# Altium PCB PCB2.PcbDoc (part 2 of 2)
Units mil, origin at the board's own origin, x right, y up, seen from the top; angles counter-clockwise.
Board outline 5110.83 x 3120.03 mil, 2 copper layers (Top Layer, Bottom Layer); 103 components, 47 nets, 239 pads, 142 vias.
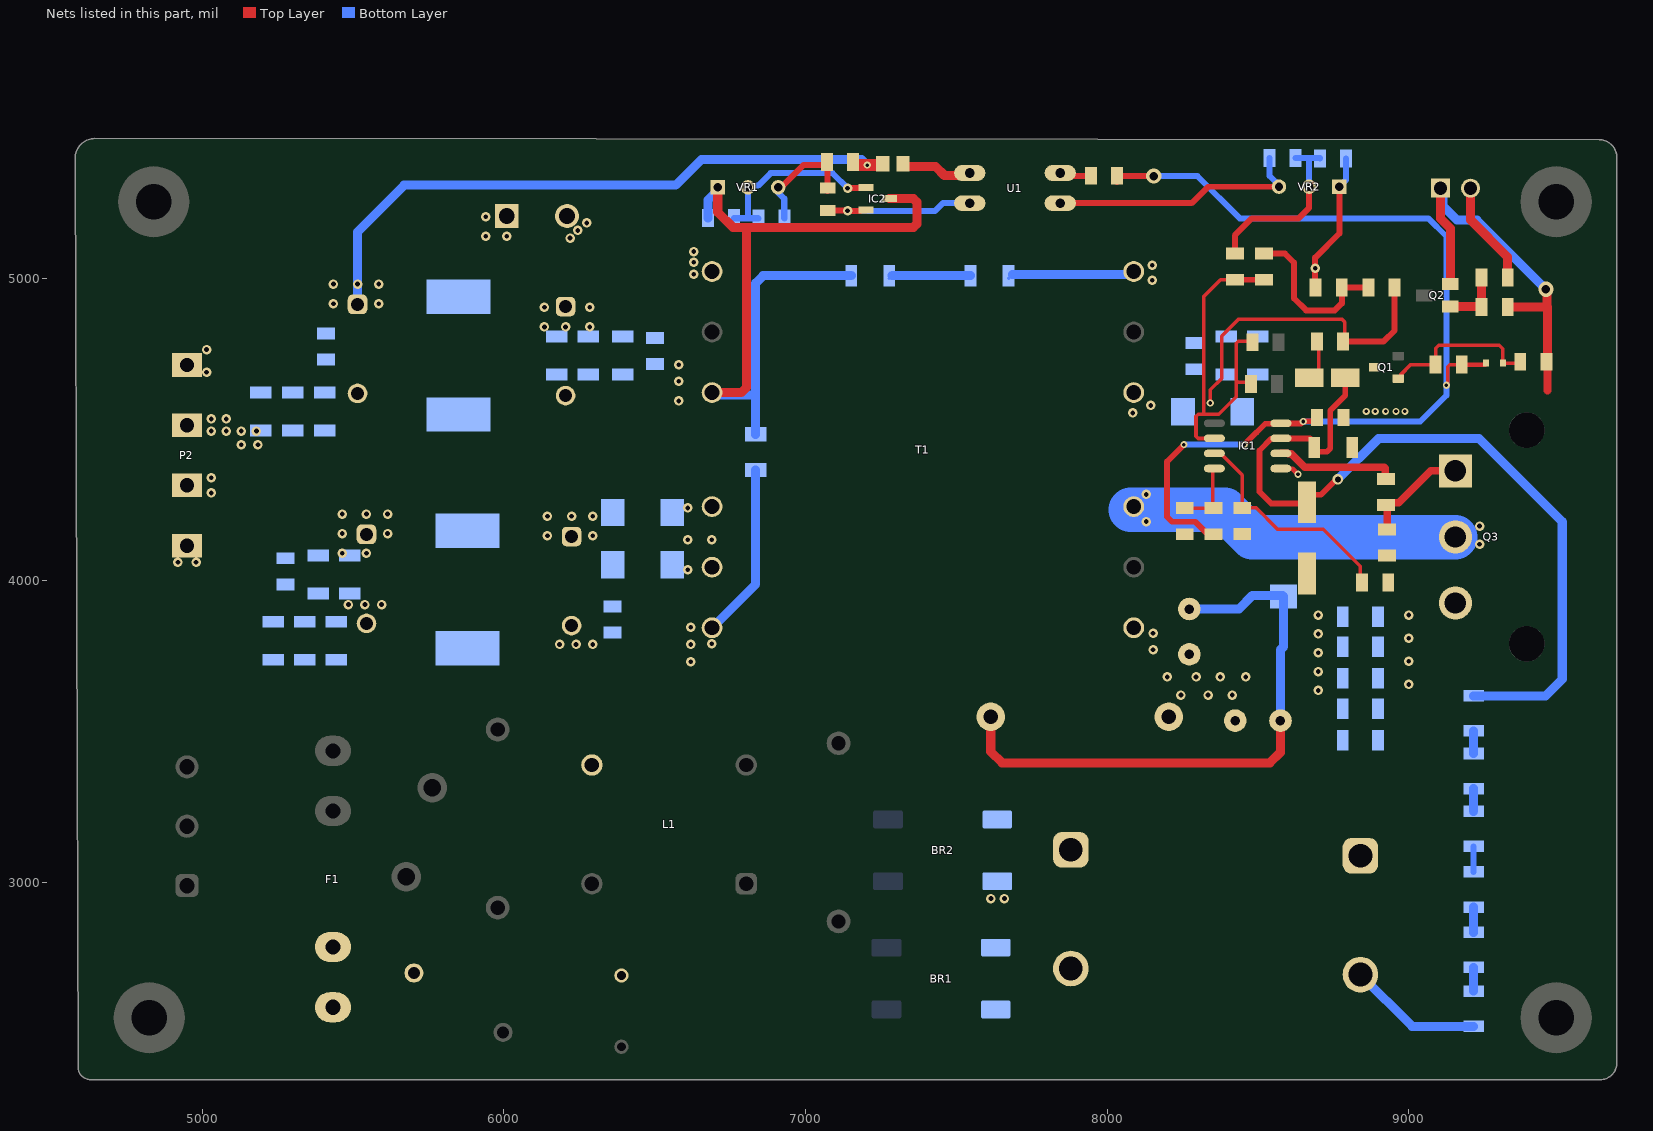
[diagram p2: the nets of this part, all layers, seen from the top]

## Via types
v1: diameter 31.5, hole 15.75, Top Layer to Bottom Layer, tented both sides, 91 vias
v2: diameter 23.62, hole 23.62, Top Layer to Bottom Layer, 32 vias
v3: diameter 23.62, hole 11.81, Top Layer to Bottom Layer, tented both sides, 12 vias
v4: diameter 31.5, hole 15.75, Top Layer to Bottom Layer, 2 vias
v5: diameter 50, hole 28, Top Layer to Bottom Layer, tented both sides, 2 vias
v6: diameter 78.74, hole 78.74, Top Layer to Bottom Layer, 2 vias
v7: diameter 35.43, hole 19.68, Top Layer to Bottom Layer, tented both sides, 1 vias

## Nets (pads, with @x,y where several pads share a name; then routed paths per layer and width w, separated by ;. In a path a pad name is that pad's centre, name@x,y a point inside that pad or via, vN(x,y) a via of type N, cw(c..) or ccw(c..) an arc to the next point about the centre after c; other vN are vias at no path point) (continued)
GND: "GND  SIGNAL.1" BR1.- BR2.- C3.2 C4.2 C5.2 C6.1 C8.2 C9.2 C10.2 C20.2 C21.2 C30.2 C31.1 IC1.5 Q1.C Q2.3 R3.1 R12.2 R20.1 R23.2 R30.1 R35.1 R36.1 R37.1 R38.1 R39.1 T1.1 VR2.1 | length 2709.7
  Top Layer w15.75: IC1.5@8576.26,4370 8614.84,4370 v3(8633.07,4351.77)
  Top Layer w19.68: R20.1@8691.69,4971.06 8690,4972.76 v1(8690,5035) 8690,5070 8770,5150 VR2.1@8770,5305
  Top Layer w27.56: 9460,4629.23 C5.2@9460,4717.69
  Top Layer w30: 9105,5300 9105,5200 9138.31,5166.69 Q2.3@9138.31,4982.4 ; R12.2@9328.31,4906.06 9453.49,4906.06 9456.17,4908.75 ; v5(9455,4965) 9458.83,4961.17 9458.83,4907.24 9460,4906.06 C5.2@9460,4717.69
  Bottom Layer w10: C31.1@7672.99,5000 C31.1@7687.03,5014.04
  Bottom Layer w20: VR2.1@8770,5305 8792.49,5327.49 R23.2@8792.49,5398.94
  Bottom Layer w30: C31.1@7687.03,5014.04 T1.1@8079.21,5014.04 ; C4.2@8840,2693.15 9011.42,2521.73 R3.1@9215,2521.73 ; 9105,5300 9113.32,5291.68 9113.32,5241.68 9160.91,5194.09 9225.91,5194.09 v5(9455,4965)
  other v1: 7615,2945 7660,2945 8700,3635 8700,3697.5 8700,3760 8700,3822.5 8700,3885
  other v3: 8859.45,4560.15 8888.98,4560.15 8923.43,4560.15 8957.87,4560.15 8987.4,4560.15
  other v4: 8150,4995 8150,5045
GND_5V: C13.2 C14.2 C15.2 C16.2 C17.2 C18.2 C19.2 P2.2 R26.1 R27.1 R34.2 T1.12 | length 582.8
  Bottom Layer w30: T1.12@6690.76,3842.93 6835,3987.18 R34.2@6835,4365.94
  other v1: 6620,3730 6185,3787.64 6240,3787.64 6295,3787.64 6620,3787.5 6690,3790 6620,3845 5485,3920 5540,3920 5595,3920 5030,4290 5030,4340
GND_24V: C22.2 C23.2 C24.2 C25.2 C26.2 C27.2 C28.2 C29.2 C32.2 IC2.3 P2.4 R22.2 R31.1 R32.1 R34.1 T1.9 VR1.1 | length 2660.1
  Top Layer w30: T1.9@6690.76,4622.46 6787.43,4622.46 6805,4640.03 6805,5170 ; VR1.1@6709.56,5293.2 6709.56,5220.44 6760,5170 6805,5170 ; IC2.3@7278.58,5265.41 7358.28,5265.41 7370,5253.69 7370,5181.72 7358.28,5170 6805,5170
  Bottom Layer w30: R22.2@6676.69,5201.06 6676.69,5260.33 VR1.1@6709.56,5293.2 ; T1.9@6690.76,4622.46 6698.22,4615 6817.43,4615 ; 6817.42,4615 6835,4615 ; R34.1@6835,4484.06 6835,4615 ; C32.2@7152.01,5010 6860,5010 6835,4985 6835,4615
  other v1: 6580,4595 6580,4660 5015,4690 6580,4715 5015,4765
ISENSE: C30.1 IC1.3 R33.1 | length 745.7
  Top Layer w11.81: IC1.3@8377.83,4420 8448.61,4349.22 C30.1@8448.61,4240.43 8494.57,4240.43 8565,4170 8716.42,4170 8839.76,4046.65 8839.76,3989.57 R33.1@8845.67,3983.66
NetC5_1: C5.1 D1.A Q1.B R5.2 | length 521.2
  Top Layer w11.81: 8974.61,4682.76 9007.33,4715.48 R5.2@9089.29,4715.48 9089.29,4769.29 9099.21,4779.21 9300.79,4779.21 9312.03,4767.97 D1.A@9312.03,4720.29 9365.29,4720.29 C5.1@9370,4725
NetC11_1: C11.1 R14.1 R18.1 VR1.3 | length 385.4
  Top Layer w20: VR1.3@6909.56,5293.2 6993,5376.64 7071.69,5376.64 7072.85,5375.48 7072.85,5292.05 C11.1@7074,5290.9
  Bottom Layer w20: VR1.3@6909.56,5293.2 6909.56,5285.64 6930,5265.2 6930,5200.8 R18.1@6930.8,5200
NetC11_2: C11.2 IC2.1 U1.2 | length 570.7
  Top Layer w20: C11.2@7074,5226.09 7074.55,5225.55 7139.45,5225.55 v1(7140,5225) 7181.99,5225 7183.39,5226.39 7199.8,5226.39 IC2.1@7201.42,5228.01 ; U1.2@7518.71,5240.49 U1.2@7544.85,5240.49
  Bottom Layer w20: v1(7140,5225) 7430,5225 7455.49,5250.49 U1.2@7544.85,5250.49
NetC12_1: C12.1 D4.K R24.2 R25.2 | length 1955.3
  Top Layer w30: C12.1@7614.45,3535.04 7614.45,3432.51 7651.96,3395 8540,3395 8575,3430 R24.2@8575,3535
  Bottom Layer w30: R25.2@8263.58,3905 8425,3905 8437.18,3905 8482.18,3950 8581.57,3950 D4.K@8585,3946.57 8585,3780 8575,3770 R24.2@8575,3535
NetC14_1: C14.1 C15.1 C17.1 L2.1 P2.1
  other v1: 4920,4060 4980,4060
NetC22_1: C22.1 C23.1 C26.1 L3.1 P2.3
  other v1: 5130,4450 5185,4450 5030,4495 5080,4495 5130,4495 5180,4495 5030,4535 5080,4535
NetC31_2: C31.2 C32.1 | length 273.2
  Bottom Layer w10: C32.1@7277.99,5000 C32.1@7287.99,5010
  Bottom Layer w30: C32.1@7287.99,5010 C31.2@7547.01,5010
NetD2_2: D2.2 R9.2 | length 138
  Top Layer w11.81: D2.2@8669.96,4671.72 8677.36,4671.72 8701.97,4696.33 R9.2@8701.97,4792.12
NetD3_A: D3.A D5.A T1.10 T1.11
  other v1: 6610,4035 6610,4135 6690,4135 6610,4240
NetD4_A: D4.A Q3.D T1.4 | length 1113
  Bottom Layer w147.64: T1.4@8079.21,4234.51 8390.49,4234.51 8481.57,4143.43 Q3.D@9154.53,4143.43
  other v1: 9235,4120 9235,4180 8130,4195 8130,4285
NetD6_A: D6.A T1.3
  other v1: 8085,4555 8145,4580
NetD7_2: D7.2 T1.7
  other v1: 6630,5015 6630,5055 6630,5090 6220,5135 6245,5160 6275,5185
NetF1_2: F1.2 RV1.1
NetIC2_2: IC2.2 R18.2 R22.1 VR1.2 | length 615.1
  Top Layer w20: v1(7140,5300) 7141.4,5301.4 7200.01,5301.4 IC2.2@7201.42,5302.81
  Bottom Layer w20: R22.1@6763.31,5201.06 6763.84,5200.53 6803.75,5200.53 ; R18.2@6844.18,5200 6843.65,5200.53 6803.75,5200.53 ; v1(7140,5300) 7090,5350 6885,5350 6843.55,5308.55 6822.48,5308.55 6809.56,5295.64 6809.56,5206.35 6803.75,5200.53
NetL1_1: L1.3 LDM1.2
NetP1_2: "GND  SIGNAL.2" R10.1 | length 347.1
  Top Layer w30: 9205,5300 9205,5195 9328.31,5071.69 R10.1@9328.31,5003.94
NetQ2_1: Q2.1 R10.2 R12.1 | length 201.9
  Top Layer w30: Q2.1@9138.31,4907.6 9240.16,4907.6 R12.1@9241.69,4906.06 R10.2@9241.69,5003.94
NetQ3_G: Q3.G R28.2 R29.2 | length 350.7
  Top Layer w25: R29.2@8928.35,4168.1 R28.2@8928.35,4245.04 ; R28.2@8928.35,4248.98 8935.99,4256.62 8966.62,4256.62 9072.8,4362.8 Q3.G@9155,4362.8
NetQ3_S: Q3.S R29.1 R33.2 R35.2 R36.2 R37.2 R38.2 R39.2
  other v1: 9000,3655 9000,3731.67 9000,3808.33 9000,3885
NetR1_1: R1.1 R2.2 | length 83.5
  Bottom Layer w30: R2.2@9215,2833.27 R1.1@9215,2916.73
NetR2_1: R2.1 R3.2 | length 78.5
  Bottom Layer w30: R3.2@9215,2638.27 R2.1@9215,2716.73
NetR4_1: R4.1 R6.2 | length 74.9
  Bottom Layer w30: R4.1@9215,3234.66 R6.2@9215,3309.51
NetR6_1: R6.1 R7.1 | length 74.9
  Bottom Layer w30: R6.1@9215,3426.04 R7.1@9215,3500.9
NetR13_1: R13.1 U1.1 | length 234.3
  Top Layer w30: R13.1@7323.46,5371.76 7431.76,5371.76 7461.27,5342.26 7543.09,5342.26 U1.1@7544.85,5340.49
NetR15_1: R15.1 U1.4 | length 102.1
  Top Layer w20: U1.4@7844.85,5340.49 7845.14,5340.78 7946.41,5340.78 R15.1@7946.69,5341.06
NetR21_1: R21.1 U1.3 VR2.3 | length 855.8
  Top Layer w19.68: U1.3@7844.85,5250.49 8280.49,5250.49 8335,5305 VR2.3@8570,5305
  Bottom Layer w19.68: R21.1@8538.39,5400 8538.39,5340.94 8570,5309.33 VR2.3@8570,5305
RT/CT: C10.1 IC1.4 R11.1 | length 230.8
  Top Layer w11.81: C10.1@8249.21,4239.57 8249.25,4239.61 8343.7,4239.61 8350,4245.91 8350,4365.07 IC1.4@8355.79,4370.85
VAUX: C20.1 C21.1 D6.K R9.1 R17.2 R30.2 | length 1059.3
  Top Layer w11.81: v3(8342.28,4587.99) 8342.28,4631.62 8380,4669.34 8380,4810 8435,4865 8780,4865 8788.58,4856.42 R9.1@8788.58,4792.12
  Top Layer w20: R9.1@8788.58,4792.12 8917.12,4792.12 8953.31,4828.31 R17.2@8953.31,4971.06
VCC: C8.1 C9.1 D2.1 IC1.7 R7.2 | length 2781.1
  Top Layer w19: C9.1@8662.6,4263.92 8682.63,4283.94 8709.5,4283.94 8760.55,4335 v7(8765,4335) ; C9.1@8662.6,4297.92 8662.6,4254.69 8544.49,4254.69 8505.12,4294.06 8505.12,4430.51 8543.85,4469.24 8575.11,4469.24 8576.26,4470.39 8672.79,4470.39 8694.53,4448.65 8694.53,4426.52 8728.87,4426.52 8740,4437.65 8740,4563.03 8790.04,4613.07 D2.1@8790.04,4671.72 D2.1@8790.04,4672.85
  Bottom Layer w30: v7(8765,4335) 8899.88,4469.88 9233.46,4469.88 9509.06,4194.29 9509.06,3672.64 9509,3672.64 9453.8,3617.43 R7.2@9215,3617.43
VFB: C7.2 IC1.2 R8.1 R16.1 R19.1 | length 1200
  Top Layer w11.81: IC1.2@8355.79,4470.39 8301.92,4470.39 8295,4477.31 8295,4544.23 8301.92,4551.15 8320,4551.15 ; R16.1@8423.66,4996.41 8376.41,4996.41 8320,4940 8320,4551.15 ; 8429.99,4657.52 8429.99,4662.29 ; R8.1@8476.69,4651.06 8470.23,4657.52 8434.76,4657.52 8429.99,4662.29 ; R8.1@8476.69,4653.59 8478.11,4653.59 R8.1@8476.69,4655 ; C7.2@8481.69,4790 8479.17,4792.52 8434.76,4792.52 8427.84,4785.6 8427.84,4664.44 ; 8320,4551.15 8369.93,4551.15 8427.84,4609.06 8427.84,4664.44 ; 8427.84,4664.44 8429.99,4662.29
  Top Layer w19.68: R16.1@8423.66,4996.41 R16.1@8423.94,4996.69 R19.1@8520.56,4996.69
VFB1: R16.2 R21.2 R23.1 VR2.2 | length 592.1
  Top Layer w19.68: R16.2@8423.94,5083.31 8423.94,5143.94 8480,5200 8635,5200 8670,5235 VR2.2@8670,5305
  Bottom Layer w19.68: 8665.44,5399.47 8670,5394.91 VR2.2@8670,5305
  Bottom Layer w20: R21.2@8625,5400 8625.53,5399.47 8665.44,5399.47 8705.34,5399.47 R23.1@8705.88,5398.94
VFB2: R17.1 R19.2 R20.2 | length 555.9
  Top Layer w19.68: R19.2@8520.56,5083.31 8590.16,5083.31 8620,5053.47 8620,4935 8660,4895 8755,4895 8778.31,4918.31 R20.2@8778.31,4971.06 R17.1@8866.69,4971.06
VGATE: IC1.6 R28.1 | length 400.2
  Top Layer w25: IC1.6@8576.26,4420.85 8598.76,4420.85 8600.1,4419.52 8610.48,4419.52 8655.03,4374.97 8918.66,4374.97 8922.66,4370.96 R28.1@8922.66,4337.8
VIN: BR1.+ BR2.+ C3.1 C4.1 C12.2 R1.2 R4.2 R24.1 R25.1 T1.6 | length 84.9
  Bottom Layer w20: R1.2@9215,3033.27 R4.2@9215,3118.12
  other v1: 8245,3620 8335,3620 8415,3620 8200,3680 8295,3680 8375,3680 8460,3680 8152.64,3770 8152.64,3825
VOUT_5V: C13.1 C16.1 C18.1 C19.1 D3.K D5.K L2.2 R26.2 R27.2
  other v1: 5465,4090 5545,4090 6145,4147.64 6295,4147.64 5465,4155 5615,4155 6145,4212.64 6225,4212.64 6295,4212.64 5465,4220 5545,4220 5615,4220
VOUT_24V: C24.1 C25.1 C27.1 C28.1 C29.1 D7.1 L3.2 R13.2 R14.2 R31.2 R32.2 | length 2137.1
  Top Layer w10: R13.2@7251.66,5376.64 R13.2@7256.54,5371.76
  Top Layer w40: R14.2@7158.31,5376.64 v3(7204.98,5376.64) R13.2@7251.66,5376.64
  Bottom Layer w30: C29.1@5515.38,4915 v1(5515.38,4982.36) 5515.38,5155.38 5670,5310 6570,5310 6655,5395 7186.62,5395 v3(7204.98,5376.64)
  other v1: 6135,4840.28 6205,4840.28 6285,4840.28 6135,4905.28 6285,4905.28 5435.38,4917.36 5585.38,4917.36 5435.38,4982.36 5585.38,4982.36 5940,5140.41 6010,5140.41 5940,5205.41
VREF: C6.2 D1.K IC1.8 R5.1 R11.2 R15.2 | length 3295.4
  Top Layer w11.81: v3(9125.2,4647.05) 9125.2,4650.24 9129.13,4654.18 9129.13,4708.08 9136.05,4715 R5.1@9157.99,4715
  Top Layer w15: R5.1@9175.9,4715.48 9254.07,4715.48 9256.91,4718.32 D1.K@9256.91,4720.29
  Top Layer w18: 8495,4490 8524.65,4519.65 IC1.8@8572.28,4519.65 ; v3(8650.51,4526.69) v3@8651.26,4527.44
  Top Layer w19.68: R15.2@8032.91,5321.06 R15.2@8036.85,5325 ; R15.2@8033.31,5341.06 v5@8153.94,5341.06 ; v3(8255,4450) 8198.62,4393.62 8198.62,4210.91 8215.24,4194.29 8292.56,4194.29 8333.86,4152.99 R11.2@8343.7,4152.99 ; v3@8455.75,4450.75 8495,4490 ; IC1.8@8576.26,4520.39 8643.15,4520.39 8649.44,4526.69 v3(8650.51,4526.69) ; v3@8651.26,4527.44 8694.93,4527.44 C6.2@8696.69,4529.2
  Bottom Layer w19.68: v5(8155,5340) 8300,5340 8440,5200 9065,5200 9125.2,5139.8 9125.2,4613.58 9038.3,4526.69 v3(8650.51,4526.69) ; v3(8255,4450) v3(8455,4450)
pads on no net: H1.0 H2.0 H3.0 H4.0 J1.2 Q3.4 T1.2 T1.5 T1.8
copper on no net:
  other v2: 4825,2461.42 9488.79,2461.42 4762.36,2487.36 4887.64,2487.36 9426.15,2487.36 9551.43,2487.36 4736.42,2550 4913.58,2550 9400.21,2550 9577.37,2550 4762.36,2612.64 4887.64,2612.64 9426.15,2612.64 9551.43,2612.64 4825,2638.58 9488.79,2638.58 4840,5166.42 9488.79,5166.42 4777.36,5192.36 4902.64,5192.36 9426.15,5192.36 9551.43,5192.36 4751.42,5255 4928.58,5255 9400.21,5255 9577.37,5255 4777.36,5317.64 4902.64,5317.64 9426.15,5317.64 9551.43,5317.64 4840,5343.58 9488.79,5343.58
  other v6: 6330,5390 5870,5395

## Polygon pours and split planes (outlines as drawn)
NetD6_A on Bottom Layer "NONET_L01_P-001" (solid, pour order 86): 8156.57,4608.43 8105,4660 8040,4660 8020,4640 8020,4550 8060,4510 8295,4510 8295,4608.43
GND_24V on Bottom Layer "NONET_L01_P-001" (solid, remove dead copper, pour order 81): 5225,4795 4925,4795 4900,4770 4900,4665 4919.15,4645.85 5105.84,4645.85 5146.69,4605 5440,4605 5470,4575 5565,4575 5575,4585 5575,4640 5555,4660 5465,4660 5440,4685 5440,4750 5270,4750
GND_5V on Bottom Layer "NONET_L01_P-001" (solid, remove dead copper, pour order 79): 5150,4200 5150,4320 5105,4365 4905,4365 4890,4350 4890,4275 4910,4255 5048.19,4255 5074.02,4229.17 5074.02,4065.98 5075,4065 5075,3965 5200,3840 5485,3840 5515,3810 5600,3810 5615,3825 5615,3940 5545,4010 5180,4010 5150,4040
NetC14_1 on Bottom Layer "NONET_L01_P-001" (solid, remove dead copper, pour order 75): 5015,3960 5015,4145 4995,4165 4905,4165 4890,4150 4890,4140 4890,3865 5135,3620 5840,3620 5940,3720 6070,3720 6085,3735 6085,3840 5700,3840 5620,3760 5215,3760
NetC22_1 on Bottom Layer "NONET_L01_P-001" (solid, remove dead copper, pour order 65): 5085,4555 4900,4555 4890,4545 4890,4480 4900,4470 5040,4470 5140,4370 5925,4370 6030,4475 6030,4580 6000,4610 5715,4610 5625,4520 5120,4520
NetD4_A on Bottom Layer "NONET_L01_P-001" (solid, remove dead copper, pour order 85): 9075,4215 9250,4215 cw(c9250,4200) 9265,4200 9265,4100 cw(c9235,4100) 9235,4070 9075,4070
GND_24V on Bottom Layer "NONET_L01_P-001" (solid, remove dead copper, pour order 82): 6140,4705 6435,4705 6470,4740 6645,4740 6730,4655 6730,4595 6695,4560 6165,4560 6140,4585 6140,4700
GND_5V on Bottom Layer "NONET_L01_P-001" (solid, remove dead copper, pour order 80): 6720,3880 6740,3860 6740,3730 6700,3690 6205,3690 6160,3735 6160,3865 6190,3895 6250,3895 6295,3850 6440,3850 6470,3880
VOUT_5V on Bottom Layer "NONET_L01_P-001" (solid, remove dead copper, pour order 78): 6315,3970 6315,3900 6325,3890 6395,3890 6415,3910 6415,4255 6400,4270 5250,4270 5220,4240 5220,4075 5240,4055 5585,4055 5635,4105 6250,4105 6280,4075 6280,4005
NetD3_A on Bottom Layer "NONET_L01_P-001" (solid, remove dead copper, pour order 71): 6525,4280 6515,4270 6515,3995 6540,3970 6735,3970 6755,3990 6755,4250 6725,4280
NetD7_2 on Bottom Layer "NONET_L01_P-001" (solid, remove dead copper, pour order 62): 6385,5110 6260,5235 6235,5260 6190,5260 6160,5230 6160,5155 6325,4990 6710,4990 6730,5010 6730,5050 6675,5110
VOUT_24V on Bottom Layer "NONET_L01_P-001" (solid, remove dead copper, pour order 68): 6050,5250 6050,5015 6125,4940 6490,4940 6545,4885 6545,4780 6540,4775 6130,4775 6025,4880 5475,4880 5445,4850 5445,4800 5380,4800 5385,4805 5385,4970 5420,5005 5860,5005 5915,5060 5915,5235 5930,5250
NetQ3_S on Bottom Layer "NONET_L01_P-001" (solid, remove dead copper, pour order 60): 8985,3560 8985,3415 8975,3405 8885,3405 8880,3410 8880,3931.18 8898.82,3950 8941.39,3980 9190,3980 9215,3955 9215,3790
GND on Bottom Layer "NONET_L01_P-001" (solid, remove dead copper, pour order 57): 8805,3915 8670,3915 8660,3905 8660,3430 8675,3415 8795,3415 8805,3425
GND on Bottom Layer "NONET_L01_P-001" (solid, remove dead copper, pour order 56): 7585,2610 7730,2610 7815,2695 7815,2740 7855,2780 7925,2780 7960,2745 7960,2605 7900,2545 7585,2545 7575,2555 7575,2600
GND on Bottom Layer "NONET_L01_P-001" (solid, remove dead copper, pour order 55): 7590,3020 7590,2925 7600,2915 7675,2915 7685,2925 7685,3020
VIN on Bottom Layer "NONET_L01_P-001" (solid, remove dead copper, pour order 53): 8905,3150 8920,3135 9260,3135 9275,3120 9275,3025 9260,3010 8930,3010 8925,3010 8905,2990 7950,2990 7710,2750 7585,2750 7585,2810 7655,2810 7815,2970 7815,3120 7775,3160 7600,3160 7585,3175 7585,3240 7915,3240 8035,3240 8145,3350 8145,3710 8035,3820 8035,3875 8055,3895 8155,3895 8255,3795 8425,3795 8495,3725 8495,3290 8635,3150
AC_L3 on Bottom Layer "NONET_L01_P-001" (solid, remove dead copper, pour order 52): 7090,3510 7150,3510 7170,3490 7170,3265 7195,3240 7315,3240 7460,3240 7460,2825 7380,2745 7220,2745 7210,2755 7210,2805 7220,2815 7330,2815 7400,2885 7400,3150 7375,3175 7120,3175 7070,3225 7070,3490
AC_N2 on Bottom Layer "NONET_L01_P-001" (solid, remove dead copper, pour order 50): 6995,2810 7060,2745 7060,2595 7110,2545 7315,2545 7320,2550 7320,2610 7235,2610 7155,2690 7155,2895 7230,2970 7325,2970 7325,3025 7315,3035 7180,3035 7180,3000 7100,2920 7000,2920 6885,3035 6760,3035 6755,3030 6755,2970 6770,2955 6850,2955
NetL1_1 on Bottom Layer "NONET_L01_P-001" (solid, remove dead copper, pour order 49): 6480,3430 6550,3360 6550,2725 6480,2655 6335,2655 6315,2675 6315,2730 6335,2750 6440,2750 6470,2780 6470,3310 6430,3350 6265,3350 6240,3375 6240,3410 6260,3430
AC_L2 on Bottom Layer "NONET_L01_P-001" (solid, remove dead copper, pour order 25): 5700,3360 5720,3380 5835,3380 5930,3475 5930,3530 5960,3560 6020,3560 6045,3535 6045,3480 6160,3365 6160,3340 6160,2605 6255,2510 6445,2510 6465,2490 6465,2450 6435,2420 5970,2420 5930,2460 5930,2550 5955,2575 6040,2575 6060,2595 6060,3155 5975,3240 5725,3240 5700,3265
VAUX on Bottom Layer "NONET_L01_P-001" (solid, remove dead copper, pour order 16): 8390,4515 8490,4515 8490,4590 8540,4640 8540,4710 8530,4720 8255,4720 8255,4660 8270,4645 8295,4645 8325,4615 8325,4580
GND on Bottom Layer "NONET_L01_P-001" (solid, remove dead copper, pour order 23): 8015,5045 8065,5095 9030,5095 9095,5030 9095,4635 9010,4550 8635,4550 8625,4540 8625,4510 8635,4500 8660,4500 8675,4485 8675,4360 8650,4335 8570,4335 8525,4380 8525,4480 8530,4480 8580,4530 8580,4760 8575,4765 8260,4765 8190,4835 8190,4930 8175,4945 8065,4945 8015,4995
NetC22_1 on Top Layer "NONET_L01_P-001" (solid, remove dead copper, pour order 88): 5085,4555 5120,4520 5210,4520 5240,4490 5240,4380 5230,4370 5140,4370 5040,4470 4900,4470 4890,4480 4890,4545 4900,4555
GND on Top Layer "NONET_L01_P-001" (solid, remove dead copper, pour order 90): 8015,5045 8065,5095 8165,5095 8195,5065 8195,4980 8160,4945 8065,4945 8015,4995
NetC14_1 on Top Layer "NONET_L01_P-001" (solid, remove dead copper, pour order 89): 4890,4150 4905,4165 4995,4165 5015,4145 5015,4045 5010,4040 4900,4040 4890,4050
GND_5V on Top Layer "NONET_L01_P-001" (solid, remove dead copper, pour order 74): 5150,4200 5150,4320 5105,4365 4905,4365 4890,4350 4890,4275 4910,4255 5060,4255 5075,4240 5075,3965 5200,3840 5485,3840 5515,3810 5600,3810 5615,3825 5615,3940 5545,4010 5180,4010 5150,4040
GND_24V on Top Layer "NONET_L01_P-001" (solid, remove dead copper, pour order 64): 5195,4795 4925,4795 4900,4770 4900,4665 4920,4645 5105,4645 5145,4605 5440,4605 5470,4575 5565,4575 5575,4585 5575,4640 5555,4660 5465,4660 5440,4685 5440,4750 5240,4750
AC_N1 on Top Layer "NONET_L01_P-001" (solid, remove dead copper, pour order 48): 4905,3075 4870,3040 4870,2965 4900,2935 5120,2935 5150,2965 5840,2965 5945,2860 6025,2860 6040,2875 6040,2895 6065,2920 6315,2920 6360,2965 6360,3025 6310,3075
AC_L1 on Top Layer "NONET_L01_P-001" (solid, remove dead copper, pour order 46): 5290,3440 4915,3440 4885,3410 4885,3345 4915,3315 5200,3315 5365,3150 5495,3150 5535,3190 5535,3445 5480,3500 5350,3500
NetD4_A on Top Layer "NONET_L01_P-001" (solid, remove dead copper, pour order 87): 8070,4305 ccw(c8070,4240) 8005,4240 8005,4225 ccw(c8070,4225) 8070,4160 8120,4160 ccw(c8120,4195) 8155,4195 8155,4280.07 ccw(c8130,4280) 8130,4305
NetD6_A on Top Layer "NONET_L01_P-001" (solid, pour order 14): 8253.43,4523.43 8240,4510 8060,4510 8020,4550 8020,4640 8040,4660 8105,4660 8156.57,4608.43 8235,4608.43 8253.43,4590
NetD4_A on Top Layer "NONET_L01_P-001" (solid, remove dead copper, pour order 84): 9075,4215 9250,4215 cw(c9250,4200) 9265,4200 9265,4100 cw(c9235,4100) 9235,4070 9075,4070
NetD7_2 on Top Layer "NONET_L01_P-001" (solid, remove dead copper, pour order 83): 6385,5110 6260,5235 6235,5260 6190,5260 6160,5230 6160,5155 6325,4990 6710,4990 6730,5010 6730,5050 6675,5110
GND_24V on Top Layer "NONET_L01_P-001" (solid, remove dead copper, pour order 66): 6140,4705 6435,4705 6470,4740 6645,4740 6730,4655 6730,4595 6695,4560 6165,4560 6140,4585 6140,4700
GND_5V on Top Layer "NONET_L01_P-001" (solid, remove dead copper, pour order 76): 6720,3880 6740,3860 6740,3730 6700,3690 6205,3690 6160,3735 6160,3865 6190,3895 6250,3895 6295,3850 6440,3850 6470,3880
VOUT_5V on Top Layer "NONET_L01_P-001" (solid, remove dead copper, pour order 72): 6315,3970 6315,3900 6325,3890 6395,3890 6415,3910 6415,4255 6400,4270 5250,4270 5220,4240 5220,4075 5240,4055 5585,4055 5635,4105 6250,4105 6280,4075 6280,4005
GND_5V on Top Layer "NONET_L01_P-001" (solid, remove dead copper, pour order 77): 5480,3820 5460,3840 5450,3840 5450,3855 5460,3865 5480,3865 5480,3980 5510,4010 5545,4010 5615,3940 5615,3780 5685,3710 6140,3710 6160,3730 6160,3865 6190,3895 6250,3895 6295,3850 6445,3850 6465,3830 6465,3715 6390,3640 5515,3640 5480,3675
NetD3_A on Top Layer "NONET_L01_P-001" (solid, remove dead copper, pour order 70): 6525,4280 6515,4270 6515,3995 6540,3970 6735,3970 6755,3990 6755,4250 6725,4280
VOUT_24V on Top Layer "NONET_L01_P-001" (solid, remove dead copper, pour order 63): 6050,5250 6050,5015 6125,4940 6490,4940 6545,4885 6545,4780 6540,4775 6130,4775 6025,4880 5475,4880 5445,4850 5445,4800 5380,4800 5385,4805 5385,4970 5420,5005 5860,5005 5915,5060 5915,5235 5930,5250
GND_24V on Top Layer "NONET_L01_P-001" (solid, remove dead copper, pour order 67): 5435,4575 5405,4605 5405,4620 5445,4660 5555,4660 5575,4640 5575,4485 5600,4460 6105,4460 6160,4515 6160,4690 6175,4705 6270,4705 6285,4690 6285,4415 6260,4390 5465,4390 5435,4420
GND on Top Layer "NONET_L01_P-001" (solid, pour order 13): 8412.89,4120.51 8420,4127.62 8420,4155 8630,4155 8808.27,3976.73 8808.27,3410 8808.27,3345 8823.28,3330.1 9119.26,3332.05 9489.37,3702.17 9489.37,4568.31 9469.69,4587.99 9302.36,4587.99 9223.62,4509.25 9085.83,4509.25 8977.56,4400.98 8790.55,4400.98 8770.87,4420.67 8770.87,4550.59 8808.27,4587.99 8849.61,4587.99 8869.29,4607.68 8869.29,4725.79 8908.66,4725.79 8908.66,4617.52 8938.19,4587.99 9007.09,4587.99 9066.14,4647.05 9528.74,4647.05 9607.48,4568.31 9607.48,3662.8 9149.68,3205 9149.68,2564.68 9130,2545 7580,2545 7560,2565 7560,2945 7585,2970 7585.53,2969.47 7690.19,2969.47 7690.19,2964.81 7815,2840 8595,2840 8660,2905 8660,3905 8538.03,4026.97 8259.06,4026.97 8209.84,4076.18 8209.84,4174.61 8278.74,4174.61 8278.74,4115.55 8308.27,4086.02 8377.17,4086.02
NetQ3_S on Top Layer "NONET_L01_P-001" (solid, pour order 59): 8950,3525 8950,3460 8925,3435 8885,3435 8885,3936.18 8898.82,3950 8898.82,4086.02 8969.68,4086.02 9062.6,3993.11 9176.89,3993.11 9215,3955 9215,3790
VIN on Top Layer "NONET_L01_P-001" (solid, remove dead copper, pour order 58): 8035,3875 8055,3895 8160,3895 8185,3870 8185,3820 8210,3795 8440,3795 8495,3740 8495,3510 8460,3475 8175,3475 8145,3505 8145,3710 8035,3820
AC_L3 on Top Layer "NONET_L01_P-001" (solid, remove dead copper, pour order 51): 7015,3435 7090,3510 7150,3510 7170,3490 7170,3420 7075,3325 6770,3325 6725,3370 6725,3415 6745,3435
NetF1_2 on Top Layer "NONET_L01_P-001" (solid, remove dead copper, pour order 47): 5395,2845 5505,2845 5605,2745 5730,2745 5770,2705 5770,2650 5655,2535 5350,2535 5335,2550 5335,2825 5355,2845

## Keep-outs
Keep-Out Layer:
  lines w10: 4584.26,5399.26 cw(c4645,5399.26) 4645,5460 9642.5,5455 ; 4584.94,5405 4593.98,2385.86 ccw(c4629.84,2385.86) 4629.84,2350 9635,2350 ccw(c9635,2400) 9685,2400 9685,5402.5 ; 9632.5,5455.06 cw(c9632.5,5402.5) 9685.06,5402.5

## Other copper
Bottom Layer:
  rectangle net GND: 8710,3415 8805,3915

## Silkscreen, mask and mechanical layers (free items; w line width, h text height)
Top Overlay:
  lines w10: 4595,4215 4790,4215 ; 4600,3095 4785,3095 ; 4600,3295 4785,3295 ; 4785,4605 4595,4605 4595,4411 4790,4411 4790,4220 ; 4786.61,2889.72 4774.72,2889.72 4775,2890 4600,2890 4600,3480.28 4786.61,3480.28 ; 4789,4015 4595,4015 4595,4807 4789,4807 ; 8300,4965 8300,5115 ; 8205,4965.2 8559.93,4965.2 8559.93,5114.8 8205,5114.8 8205,4965.2
  text "OPTO" at 8185,5134.8 h60 r270
  text "AUX" at 8300,5114.8 h60 r270
  text "SEC_24V" at 6895,4820 h60
  text "130W MAX" at 4587.6,4810.32 h100
  text "AUX" at 7805,4770 h60
  text "GND" at 4587.5,4606.74 h100
  text "24V" at 4582.5,4411.74 h100
  text "GND" at 4582.5,4211.74 h100
  text "SEC_5V" at 6900,4030 h60
  text "5V" at 4582.5,4016.74 h100
  text "PRI" at 7830,4010 h60
  text "85-256VAC" at 4597.6,3479.57 h100
  text "L" at 4607.5,3281.74 h100
  text "PE" at 4598.75,3091.74 h100
  text "N" at 4593.75,2886.74 h100
Bottom Overlay:
  text "BOARD FLYBACK V2 / Designed by Anh Duy / Supervisor: Ph.D Nguyen Chan Viet" at 8012.5,4645 h80
Bottom Solder:
  rectangle: 8875,3430 8985,3915

## Text inside footprints (layer, text, board x,y; h text height)
BR1: Bottom Overlay "+" at 7638.68,2825.66 h78.74 r270; Bottom Overlay "-" at 7647.44,2510.71 h78.74 r270; Bottom Overlay "~" at 7214.22,2494.96 h78.74 r270; Bottom Overlay "~" at 7214.22,2825.67 h78.74 r270
BR2: Bottom Overlay "+" at 7643.68,3250.67 h78.74 r270; Bottom Overlay "-" at 7652.44,2935.71 h78.74 r270; Bottom Overlay "~" at 7219.22,2919.96 h78.74 r270; Bottom Overlay "~" at 7219.22,3250.67 h78.74 r270
C3: Top Overlay "+" at 7919.37,3376.54 h78.74 r90
C4: Top Overlay "+" at 8879.37,3356.54 h78.74 r90
C18: Top Overlay "+" at 6254.53,4334.25 h59.06 r90
C19: Top Overlay "+" at 5574.53,4341.61 h59.06 r90
C28: Top Overlay "+" at 6580,4962.15 h59.06 r90
C29: Top Overlay "+" at 5535.19,5130 h59.06 r90